# Allegro board LED_FIN.brd (continued)
## Nets (continued)
ROW_OUT_A7: D901.3(ANODE) D902.3(ANODE) D903.3(ANODE) D904.3(ANODE) D905.3(ANODE) D906.3(ANODE) D907.3(ANODE) D908.3(ANODE) D909.3(ANODE) D910.3(ANODE) D911.3(ANODE) D912.3(ANODE) D913.3(ANODE) D914.3(ANODE) D915.3(ANODE) D916.3(ANODE) D917.3(ANODE) D918.3(ANODE) D919.3(ANODE) D920.3(ANODE) D921.3(ANODE) D922.3(ANODE) D923.3(ANODE) D924.3(ANODE) D925.3(ANODE) D926.3(ANODE) D927.3(ANODE) D928.3(ANODE) D929.3(ANODE) D930.3(ANODE) D2041.3(ANODE) D2042.3(ANODE) D2043.3(ANODE) D2044.3(ANODE) D2045.3(ANODE) D2046.3(ANODE) D2047.3(ANODE) D2048.3(ANODE) D2049.3(ANODE) D2050.3(ANODE) D2051.3(ANODE) D2052.3(ANODE) D2053.3(ANODE) D2054.3(ANODE) D2055.3(ANODE) D2056.3(ANODE) D2057.3(ANODE) D2058.3(ANODE) D2059.3(ANODE) D2060.3(ANODE) D2061.3(ANODE) D2062.3(ANODE) D2063.3(ANODE) D2064.3(ANODE) D2065.3(ANODE) D2066.3(ANODE) D2067.3(ANODE) D2068.3(ANODE) D2069.3(ANODE) D2070.3(ANODE) D3181.3(ANODE) D3182.3(ANODE) D3183.3(ANODE) D3184.3(ANODE) D3185.3(ANODE) D3186.3(ANODE) D3187.3(ANODE) D3188.3(ANODE) D3189.3(ANODE) D3190.3(ANODE) D3191.3(ANODE) D3192.3(ANODE) D3193.3(ANODE) D3194.3(ANODE) D3195.3(ANODE) D3196.3(ANODE) D3197.3(ANODE) D3198.3(ANODE) D3199.3(ANODE) D3200.3(ANODE) D3201.3(ANODE) D3202.3(ANODE) D3203.3(ANODE) D3204.3(ANODE) D3205.3(ANODE) D3206.3(ANODE) D3207.3(ANODE) D3208.3(ANODE) D3209.3(ANODE) D3210.3(ANODE) D4321.3(ANODE) D4322.3(ANODE) D4323.3(ANODE) D4324.3(ANODE) D4325.3(ANODE) D4326.3(ANODE) D4327.3(ANODE) D4328.3(ANODE) D4329.3(ANODE) D4330.3(ANODE) D4331.3(ANODE) D4332.3(ANODE) D4333.3(ANODE) D4334.3(ANODE) D4335.3(ANODE) D4336.3(ANODE) D4337.3(ANODE) D4338.3(ANODE) D4339.3(ANODE) D4340.3(ANODE) D4341.3(ANODE) D4342.3(ANODE) D4343.3(ANODE) D4344.3(ANODE) D4345.3(ANODE) D4346.3(ANODE) D4347.3(ANODE) D4348.3(ANODE) D4349.3(ANODE) D4350.3(ANODE) U31.1(DRAIN)
ROW_OUT_A8: D871.3(ANODE) D872.3(ANODE) D873.3(ANODE) D874.3(ANODE) D875.3(ANODE) D876.3(ANODE) D877.3(ANODE) D878.3(ANODE) D879.3(ANODE) D880.3(ANODE) D881.3(ANODE) D882.3(ANODE) D883.3(ANODE) D884.3(ANODE) D885.3(ANODE) D886.3(ANODE) D887.3(ANODE) D888.3(ANODE) D889.3(ANODE) D890.3(ANODE) D891.3(ANODE) D892.3(ANODE) D893.3(ANODE) D894.3(ANODE) D895.3(ANODE) D896.3(ANODE) D897.3(ANODE) D898.3(ANODE) D899.3(ANODE) D900.3(ANODE) D2011.3(ANODE) D2012.3(ANODE) D2013.3(ANODE) D2014.3(ANODE) D2015.3(ANODE) D2016.3(ANODE) D2017.3(ANODE) D2018.3(ANODE) D2019.3(ANODE) D2020.3(ANODE) D2021.3(ANODE) D2022.3(ANODE) D2023.3(ANODE) D2024.3(ANODE) D2025.3(ANODE) D2026.3(ANODE) D2027.3(ANODE) D2028.3(ANODE) D2029.3(ANODE) D2030.3(ANODE) D2031.3(ANODE) D2032.3(ANODE) D2033.3(ANODE) D2034.3(ANODE) D2035.3(ANODE) D2036.3(ANODE) D2037.3(ANODE) D2038.3(ANODE) D2039.3(ANODE) D2040.3(ANODE) D3151.3(ANODE) D3152.3(ANODE) D3153.3(ANODE) D3154.3(ANODE) D3155.3(ANODE) D3156.3(ANODE) D3157.3(ANODE) D3158.3(ANODE) D3159.3(ANODE) D3160.3(ANODE) D3161.3(ANODE) D3162.3(ANODE) D3163.3(ANODE) D3164.3(ANODE) D3165.3(ANODE) D3166.3(ANODE) D3167.3(ANODE) D3168.3(ANODE) D3169.3(ANODE) D3170.3(ANODE) D3171.3(ANODE) D3172.3(ANODE) D3173.3(ANODE) D3174.3(ANODE) D3175.3(ANODE) D3176.3(ANODE) D3177.3(ANODE) D3178.3(ANODE) D3179.3(ANODE) D3180.3(ANODE) D4291.3(ANODE) D4292.3(ANODE) D4293.3(ANODE) D4294.3(ANODE) D4295.3(ANODE) D4296.3(ANODE) D4297.3(ANODE) D4298.3(ANODE) D4299.3(ANODE) D4300.3(ANODE) D4301.3(ANODE) D4302.3(ANODE) D4303.3(ANODE) D4304.3(ANODE) D4305.3(ANODE) D4306.3(ANODE) D4307.3(ANODE) D4308.3(ANODE) D4309.3(ANODE) D4310.3(ANODE) D4311.3(ANODE) D4312.3(ANODE) D4313.3(ANODE) D4314.3(ANODE) D4315.3(ANODE) D4316.3(ANODE) D4317.3(ANODE) D4318.3(ANODE) D4319.3(ANODE) D4320.3(ANODE) U30.1(DRAIN)
ROW_OUT_A9: D841.3(ANODE) D842.3(ANODE) D843.3(ANODE) D844.3(ANODE) D845.3(ANODE) D846.3(ANODE) D847.3(ANODE) D848.3(ANODE) D849.3(ANODE) D850.3(ANODE) D851.3(ANODE) D852.3(ANODE) D853.3(ANODE) D854.3(ANODE) D855.3(ANODE) D856.3(ANODE) D857.3(ANODE) D858.3(ANODE) D859.3(ANODE) D860.3(ANODE) D861.3(ANODE) D862.3(ANODE) D863.3(ANODE) D864.3(ANODE) D865.3(ANODE) D866.3(ANODE) D867.3(ANODE) D868.3(ANODE) D869.3(ANODE) D870.3(ANODE) D1981.3(ANODE) D1982.3(ANODE) D1983.3(ANODE) D1984.3(ANODE) D1985.3(ANODE) D1986.3(ANODE) D1987.3(ANODE) D1988.3(ANODE) D1989.3(ANODE) D1990.3(ANODE) D1991.3(ANODE) D1992.3(ANODE) D1993.3(ANODE) D1994.3(ANODE) D1995.3(ANODE) D1996.3(ANODE) D1997.3(ANODE) D1998.3(ANODE) D1999.3(ANODE) D2000.3(ANODE) D2001.3(ANODE) D2002.3(ANODE) D2003.3(ANODE) D2004.3(ANODE) D2005.3(ANODE) D2006.3(ANODE) D2007.3(ANODE) D2008.3(ANODE) D2009.3(ANODE) D2010.3(ANODE) D3121.3(ANODE) D3122.3(ANODE) D3123.3(ANODE) D3124.3(ANODE) D3125.3(ANODE) D3126.3(ANODE) D3127.3(ANODE) D3128.3(ANODE) D3129.3(ANODE) D3130.3(ANODE) D3131.3(ANODE) D3132.3(ANODE) D3133.3(ANODE) D3134.3(ANODE) D3135.3(ANODE) D3136.3(ANODE) D3137.3(ANODE) D3138.3(ANODE) D3139.3(ANODE) D3140.3(ANODE) D3141.3(ANODE) D3142.3(ANODE) D3143.3(ANODE) D3144.3(ANODE) D3145.3(ANODE) D3146.3(ANODE) D3147.3(ANODE) D3148.3(ANODE) D3149.3(ANODE) D3150.3(ANODE) D4261.3(ANODE) D4262.3(ANODE) D4263.3(ANODE) D4264.3(ANODE) D4265.3(ANODE) D4266.3(ANODE) D4267.3(ANODE) D4268.3(ANODE) D4269.3(ANODE) D4270.3(ANODE) D4271.3(ANODE) D4272.3(ANODE) D4273.3(ANODE) D4274.3(ANODE) D4275.3(ANODE) D4276.3(ANODE) D4277.3(ANODE) D4278.3(ANODE) D4279.3(ANODE) D4280.3(ANODE) D4281.3(ANODE) D4282.3(ANODE) D4283.3(ANODE) D4284.3(ANODE) D4285.3(ANODE) D4286.3(ANODE) D4287.3(ANODE) D4288.3(ANODE) D4289.3(ANODE) D4290.3(ANODE) U29.1(DRAIN)
ROW_OUT_A10: D811.3(ANODE) D812.3(ANODE) D813.3(ANODE) D814.3(ANODE) D815.3(ANODE) D816.3(ANODE) D817.3(ANODE) D818.3(ANODE) D819.3(ANODE) D820.3(ANODE) D821.3(ANODE) D822.3(ANODE) D823.3(ANODE) D824.3(ANODE) D825.3(ANODE) D826.3(ANODE) D827.3(ANODE) D828.3(ANODE) D829.3(ANODE) D830.3(ANODE) D831.3(ANODE) D832.3(ANODE) D833.3(ANODE) D834.3(ANODE) D835.3(ANODE) D836.3(ANODE) D837.3(ANODE) D838.3(ANODE) D839.3(ANODE) D840.3(ANODE) D1951.3(ANODE) D1952.3(ANODE) D1953.3(ANODE) D1954.3(ANODE) D1955.3(ANODE) D1956.3(ANODE) D1957.3(ANODE) D1958.3(ANODE) D1959.3(ANODE) D1960.3(ANODE) D1961.3(ANODE) D1962.3(ANODE) D1963.3(ANODE) D1964.3(ANODE) D1965.3(ANODE) D1966.3(ANODE) D1967.3(ANODE) D1968.3(ANODE) D1969.3(ANODE) D1970.3(ANODE) D1971.3(ANODE) D1972.3(ANODE) D1973.3(ANODE) D1974.3(ANODE) D1975.3(ANODE) D1976.3(ANODE) D1977.3(ANODE) D1978.3(ANODE) D1979.3(ANODE) D1980.3(ANODE) D3091.3(ANODE) D3092.3(ANODE) D3093.3(ANODE) D3094.3(ANODE) D3095.3(ANODE) D3096.3(ANODE) D3097.3(ANODE) D3098.3(ANODE) D3099.3(ANODE) D3100.3(ANODE) D3101.3(ANODE) D3102.3(ANODE) D3103.3(ANODE) D3104.3(ANODE) D3105.3(ANODE) D3106.3(ANODE) D3107.3(ANODE) D3108.3(ANODE) D3109.3(ANODE) D3110.3(ANODE) D3111.3(ANODE) D3112.3(ANODE) D3113.3(ANODE) D3114.3(ANODE) D3115.3(ANODE) D3116.3(ANODE) D3117.3(ANODE) D3118.3(ANODE) D3119.3(ANODE) D3120.3(ANODE) D4231.3(ANODE) D4232.3(ANODE) D4233.3(ANODE) D4234.3(ANODE) D4235.3(ANODE) D4236.3(ANODE) D4237.3(ANODE) D4238.3(ANODE) D4239.3(ANODE) D4240.3(ANODE) D4241.3(ANODE) D4242.3(ANODE) D4243.3(ANODE) D4244.3(ANODE) D4245.3(ANODE) D4246.3(ANODE) D4247.3(ANODE) D4248.3(ANODE) D4249.3(ANODE) D4250.3(ANODE) D4251.3(ANODE) D4252.3(ANODE) D4253.3(ANODE) D4254.3(ANODE) D4255.3(ANODE) D4256.3(ANODE) D4257.3(ANODE) D4258.3(ANODE) D4259.3(ANODE) D4260.3(ANODE) U28.1(DRAIN)
ROW_OUT_A11: D781.3(ANODE) D782.3(ANODE) D783.3(ANODE) D784.3(ANODE) D785.3(ANODE) D786.3(ANODE) D787.3(ANODE) D788.3(ANODE) D789.3(ANODE) D790.3(ANODE) D791.3(ANODE) D792.3(ANODE) D793.3(ANODE) D794.3(ANODE) D795.3(ANODE) D796.3(ANODE) D797.3(ANODE) D798.3(ANODE) D799.3(ANODE) D800.3(ANODE) D801.3(ANODE) D802.3(ANODE) D803.3(ANODE) D804.3(ANODE) D805.3(ANODE) D806.3(ANODE) D807.3(ANODE) D808.3(ANODE) D809.3(ANODE) D810.3(ANODE) D1921.3(ANODE) D1922.3(ANODE) D1923.3(ANODE) D1924.3(ANODE) D1925.3(ANODE) D1926.3(ANODE) D1927.3(ANODE) D1928.3(ANODE) D1929.3(ANODE) D1930.3(ANODE) D1931.3(ANODE) D1932.3(ANODE) D1933.3(ANODE) D1934.3(ANODE) D1935.3(ANODE) D1936.3(ANODE) D1937.3(ANODE) D1938.3(ANODE) D1939.3(ANODE) D1940.3(ANODE) D1941.3(ANODE) D1942.3(ANODE) D1943.3(ANODE) D1944.3(ANODE) D1945.3(ANODE) D1946.3(ANODE) D1947.3(ANODE) D1948.3(ANODE) D1949.3(ANODE) D1950.3(ANODE) D3061.3(ANODE) D3062.3(ANODE) D3063.3(ANODE) D3064.3(ANODE) D3065.3(ANODE) D3066.3(ANODE) D3067.3(ANODE) D3068.3(ANODE) D3069.3(ANODE) D3070.3(ANODE) D3071.3(ANODE) D3072.3(ANODE) D3073.3(ANODE) D3074.3(ANODE) D3075.3(ANODE) D3076.3(ANODE) D3077.3(ANODE) D3078.3(ANODE) D3079.3(ANODE) D3080.3(ANODE) D3081.3(ANODE) D3082.3(ANODE) D3083.3(ANODE) D3084.3(ANODE) D3085.3(ANODE) D3086.3(ANODE) D3087.3(ANODE) D3088.3(ANODE) D3089.3(ANODE) D3090.3(ANODE) D4201.3(ANODE) D4202.3(ANODE) D4203.3(ANODE) D4204.3(ANODE) D4205.3(ANODE) D4206.3(ANODE) D4207.3(ANODE) D4208.3(ANODE) D4209.3(ANODE) D4210.3(ANODE) D4211.3(ANODE) D4212.3(ANODE) D4213.3(ANODE) D4214.3(ANODE) D4215.3(ANODE) D4216.3(ANODE) D4217.3(ANODE) D4218.3(ANODE) D4219.3(ANODE) D4220.3(ANODE) D4221.3(ANODE) D4222.3(ANODE) D4223.3(ANODE) D4224.3(ANODE) D4225.3(ANODE) D4226.3(ANODE) D4227.3(ANODE) D4228.3(ANODE) D4229.3(ANODE) D4230.3(ANODE) U27.1(DRAIN)
ROW_OUT_A12: D751.3(ANODE) D752.3(ANODE) D753.3(ANODE) D754.3(ANODE) D755.3(ANODE) D756.3(ANODE) D757.3(ANODE) D758.3(ANODE) D759.3(ANODE) D760.3(ANODE) D761.3(ANODE) D762.3(ANODE) D763.3(ANODE) D764.3(ANODE) D765.3(ANODE) D766.3(ANODE) D767.3(ANODE) D768.3(ANODE) D769.3(ANODE) D770.3(ANODE) D771.3(ANODE) D772.3(ANODE) D773.3(ANODE) D774.3(ANODE) D775.3(ANODE) D776.3(ANODE) D777.3(ANODE) D778.3(ANODE) D779.3(ANODE) D780.3(ANODE) D1891.3(ANODE) D1892.3(ANODE) D1893.3(ANODE) D1894.3(ANODE) D1895.3(ANODE) D1896.3(ANODE) D1897.3(ANODE) D1898.3(ANODE) D1899.3(ANODE) D1900.3(ANODE) D1901.3(ANODE) D1902.3(ANODE) D1903.3(ANODE) D1904.3(ANODE) D1905.3(ANODE) D1906.3(ANODE) D1907.3(ANODE) D1908.3(ANODE) D1909.3(ANODE) D1910.3(ANODE) D1911.3(ANODE) D1912.3(ANODE) D1913.3(ANODE) D1914.3(ANODE) D1915.3(ANODE) D1916.3(ANODE) D1917.3(ANODE) D1918.3(ANODE) D1919.3(ANODE) D1920.3(ANODE) D3031.3(ANODE) D3032.3(ANODE) D3033.3(ANODE) D3034.3(ANODE) D3035.3(ANODE) D3036.3(ANODE) D3037.3(ANODE) D3038.3(ANODE) D3039.3(ANODE) D3040.3(ANODE) D3041.3(ANODE) D3042.3(ANODE) D3043.3(ANODE) D3044.3(ANODE) D3045.3(ANODE) D3046.3(ANODE) D3047.3(ANODE) D3048.3(ANODE) D3049.3(ANODE) D3050.3(ANODE) D3051.3(ANODE) D3052.3(ANODE) D3053.3(ANODE) D3054.3(ANODE) D3055.3(ANODE) D3056.3(ANODE) D3057.3(ANODE) D3058.3(ANODE) D3059.3(ANODE) D3060.3(ANODE) D4171.3(ANODE) D4172.3(ANODE) D4173.3(ANODE) D4174.3(ANODE) D4175.3(ANODE) D4176.3(ANODE) D4177.3(ANODE) D4178.3(ANODE) D4179.3(ANODE) D4180.3(ANODE) D4181.3(ANODE) D4182.3(ANODE) D4183.3(ANODE) D4184.3(ANODE) D4185.3(ANODE) D4186.3(ANODE) D4187.3(ANODE) D4188.3(ANODE) D4189.3(ANODE) D4190.3(ANODE) D4191.3(ANODE) D4192.3(ANODE) D4193.3(ANODE) D4194.3(ANODE) D4195.3(ANODE) D4196.3(ANODE) D4197.3(ANODE) D4198.3(ANODE) D4199.3(ANODE) D4200.3(ANODE) U26.1(DRAIN)
ROW_OUT_A13: D721.3(ANODE) D722.3(ANODE) D723.3(ANODE) D724.3(ANODE) D725.3(ANODE) D726.3(ANODE) D727.3(ANODE) D728.3(ANODE) D729.3(ANODE) D730.3(ANODE) D731.3(ANODE) D732.3(ANODE) D733.3(ANODE) D734.3(ANODE) D735.3(ANODE) D736.3(ANODE) D737.3(ANODE) D738.3(ANODE) D739.3(ANODE) D740.3(ANODE) D741.3(ANODE) D742.3(ANODE) D743.3(ANODE) D744.3(ANODE) D745.3(ANODE) D746.3(ANODE) D747.3(ANODE) D748.3(ANODE) D749.3(ANODE) D750.3(ANODE) D1861.3(ANODE) D1862.3(ANODE) D1863.3(ANODE) D1864.3(ANODE) D1865.3(ANODE) D1866.3(ANODE) D1867.3(ANODE) D1868.3(ANODE) D1869.3(ANODE) D1870.3(ANODE) D1871.3(ANODE) D1872.3(ANODE) D1873.3(ANODE) D1874.3(ANODE) D1875.3(ANODE) D1876.3(ANODE) D1877.3(ANODE) D1878.3(ANODE) D1879.3(ANODE) D1880.3(ANODE) D1881.3(ANODE) D1882.3(ANODE) D1883.3(ANODE) D1884.3(ANODE) D1885.3(ANODE) D1886.3(ANODE) D1887.3(ANODE) D1888.3(ANODE) D1889.3(ANODE) D1890.3(ANODE) D3001.3(ANODE) D3002.3(ANODE) D3003.3(ANODE) D3004.3(ANODE) D3005.3(ANODE) D3006.3(ANODE) D3007.3(ANODE) D3008.3(ANODE) D3009.3(ANODE) D3010.3(ANODE) D3011.3(ANODE) D3012.3(ANODE) D3013.3(ANODE) D3014.3(ANODE) D3015.3(ANODE) D3016.3(ANODE) D3017.3(ANODE) D3018.3(ANODE) D3019.3(ANODE) D3020.3(ANODE) D3021.3(ANODE) D3022.3(ANODE) D3023.3(ANODE) D3024.3(ANODE) D3025.3(ANODE) D3026.3(ANODE) D3027.3(ANODE) D3028.3(ANODE) D3029.3(ANODE) D3030.3(ANODE) D4141.3(ANODE) D4142.3(ANODE) D4143.3(ANODE) D4144.3(ANODE) D4145.3(ANODE) D4146.3(ANODE) D4147.3(ANODE) D4148.3(ANODE) D4149.3(ANODE) D4150.3(ANODE) D4151.3(ANODE) D4152.3(ANODE) D4153.3(ANODE) D4154.3(ANODE) D4155.3(ANODE) D4156.3(ANODE) D4157.3(ANODE) D4158.3(ANODE) D4159.3(ANODE) D4160.3(ANODE) D4161.3(ANODE) D4162.3(ANODE) D4163.3(ANODE) D4164.3(ANODE) D4165.3(ANODE) D4166.3(ANODE) D4167.3(ANODE) D4168.3(ANODE) D4169.3(ANODE) D4170.3(ANODE) U25.1(DRAIN)
ROW_OUT_A14: D691.3(ANODE) D692.3(ANODE) D693.3(ANODE) D694.3(ANODE) D695.3(ANODE) D696.3(ANODE) D697.3(ANODE) D698.3(ANODE) D699.3(ANODE) D700.3(ANODE) D701.3(ANODE) D702.3(ANODE) D703.3(ANODE) D704.3(ANODE) D705.3(ANODE) D706.3(ANODE) D707.3(ANODE) D708.3(ANODE) D709.3(ANODE) D710.3(ANODE) D711.3(ANODE) D712.3(ANODE) D713.3(ANODE) D714.3(ANODE) D715.3(ANODE) D716.3(ANODE) D717.3(ANODE) D718.3(ANODE) D719.3(ANODE) D720.3(ANODE) D1831.3(ANODE) D1832.3(ANODE) D1833.3(ANODE) D1834.3(ANODE) D1835.3(ANODE) D1836.3(ANODE) D1837.3(ANODE) D1838.3(ANODE) D1839.3(ANODE) D1840.3(ANODE) D1841.3(ANODE) D1842.3(ANODE) D1843.3(ANODE) D1844.3(ANODE) D1845.3(ANODE) D1846.3(ANODE) D1847.3(ANODE) D1848.3(ANODE) D1849.3(ANODE) D1850.3(ANODE) D1851.3(ANODE) D1852.3(ANODE) D1853.3(ANODE) D1854.3(ANODE) D1855.3(ANODE) D1856.3(ANODE) D1857.3(ANODE) D1858.3(ANODE) D1859.3(ANODE) D1860.3(ANODE) D2971.3(ANODE) D2972.3(ANODE) D2973.3(ANODE) D2974.3(ANODE) D2975.3(ANODE) D2976.3(ANODE) D2977.3(ANODE) D2978.3(ANODE) D2979.3(ANODE) D2980.3(ANODE) D2981.3(ANODE) D2982.3(ANODE) D2983.3(ANODE) D2984.3(ANODE) D2985.3(ANODE) D2986.3(ANODE) D2987.3(ANODE) D2988.3(ANODE) D2989.3(ANODE) D2990.3(ANODE) D2991.3(ANODE) D2992.3(ANODE) D2993.3(ANODE) D2994.3(ANODE) D2995.3(ANODE) D2996.3(ANODE) D2997.3(ANODE) D2998.3(ANODE) D2999.3(ANODE) D3000.3(ANODE) D4111.3(ANODE) D4112.3(ANODE) D4113.3(ANODE) D4114.3(ANODE) D4115.3(ANODE) D4116.3(ANODE) D4117.3(ANODE) D4118.3(ANODE) D4119.3(ANODE) D4120.3(ANODE) D4121.3(ANODE) D4122.3(ANODE) D4123.3(ANODE) D4124.3(ANODE) D4125.3(ANODE) D4126.3(ANODE) D4127.3(ANODE) D4128.3(ANODE) D4129.3(ANODE) D4130.3(ANODE) D4131.3(ANODE) D4132.3(ANODE) D4133.3(ANODE) D4134.3(ANODE) D4135.3(ANODE) D4136.3(ANODE) D4137.3(ANODE) D4138.3(ANODE) D4139.3(ANODE) D4140.3(ANODE) U24.1(DRAIN)
ROW_OUT_A15: D661.3(ANODE) D662.3(ANODE) D663.3(ANODE) D664.3(ANODE) D665.3(ANODE) D666.3(ANODE) D667.3(ANODE) D668.3(ANODE) D669.3(ANODE) D670.3(ANODE) D671.3(ANODE) D672.3(ANODE) D673.3(ANODE) D674.3(ANODE) D675.3(ANODE) D676.3(ANODE) D677.3(ANODE) D678.3(ANODE) D679.3(ANODE) D680.3(ANODE) D681.3(ANODE) D682.3(ANODE) D683.3(ANODE) D684.3(ANODE) D685.3(ANODE) D686.3(ANODE) D687.3(ANODE) D688.3(ANODE) D689.3(ANODE) D690.3(ANODE) D1801.3(ANODE) D1802.3(ANODE) D1803.3(ANODE) D1804.3(ANODE) D1805.3(ANODE) D1806.3(ANODE) D1807.3(ANODE) D1808.3(ANODE) D1809.3(ANODE) D1810.3(ANODE) D1811.3(ANODE) D1812.3(ANODE) D1813.3(ANODE) D1814.3(ANODE) D1815.3(ANODE) D1816.3(ANODE) D1817.3(ANODE) D1818.3(ANODE) D1819.3(ANODE) D1820.3(ANODE) D1821.3(ANODE) D1822.3(ANODE) D1823.3(ANODE) D1824.3(ANODE) D1825.3(ANODE) D1826.3(ANODE) D1827.3(ANODE) D1828.3(ANODE) D1829.3(ANODE) D1830.3(ANODE) D2941.3(ANODE) D2942.3(ANODE) D2943.3(ANODE) D2944.3(ANODE) D2945.3(ANODE) D2946.3(ANODE) D2947.3(ANODE) D2948.3(ANODE) D2949.3(ANODE) D2950.3(ANODE) D2951.3(ANODE) D2952.3(ANODE) D2953.3(ANODE) D2954.3(ANODE) D2955.3(ANODE) D2956.3(ANODE) D2957.3(ANODE) D2958.3(ANODE) D2959.3(ANODE) D2960.3(ANODE) D2961.3(ANODE) D2962.3(ANODE) D2963.3(ANODE) D2964.3(ANODE) D2965.3(ANODE) D2966.3(ANODE) D2967.3(ANODE) D2968.3(ANODE) D2969.3(ANODE) D2970.3(ANODE) D4081.3(ANODE) D4082.3(ANODE) D4083.3(ANODE) D4084.3(ANODE) D4085.3(ANODE) D4086.3(ANODE) D4087.3(ANODE) D4088.3(ANODE) D4089.3(ANODE) D4090.3(ANODE) D4091.3(ANODE) D4092.3(ANODE) D4093.3(ANODE) D4094.3(ANODE) D4095.3(ANODE) D4096.3(ANODE) D4097.3(ANODE) D4098.3(ANODE) D4099.3(ANODE) D4100.3(ANODE) D4101.3(ANODE) D4102.3(ANODE) D4103.3(ANODE) D4104.3(ANODE) D4105.3(ANODE) D4106.3(ANODE) D4107.3(ANODE) D4108.3(ANODE) D4109.3(ANODE) D4110.3(ANODE) U23.1(DRAIN)
ROW_OUT_A16: D631.3(ANODE) D632.3(ANODE) D633.3(ANODE) D634.3(ANODE) D635.3(ANODE) D636.3(ANODE) D637.3(ANODE) D638.3(ANODE) D639.3(ANODE) D640.3(ANODE) D641.3(ANODE) D642.3(ANODE) D643.3(ANODE) D644.3(ANODE) D645.3(ANODE) D646.3(ANODE) D647.3(ANODE) D648.3(ANODE) D649.3(ANODE) D650.3(ANODE) D651.3(ANODE) D652.3(ANODE) D653.3(ANODE) D654.3(ANODE) D655.3(ANODE) D656.3(ANODE) D657.3(ANODE) D658.3(ANODE) D659.3(ANODE) D660.3(ANODE) D1771.3(ANODE) D1772.3(ANODE) D1773.3(ANODE) D1774.3(ANODE) D1775.3(ANODE) D1776.3(ANODE) D1777.3(ANODE) D1778.3(ANODE) D1779.3(ANODE) D1780.3(ANODE) D1781.3(ANODE) D1782.3(ANODE) D1783.3(ANODE) D1784.3(ANODE) D1785.3(ANODE) D1786.3(ANODE) D1787.3(ANODE) D1788.3(ANODE) D1789.3(ANODE) D1790.3(ANODE) D1791.3(ANODE) D1792.3(ANODE) D1793.3(ANODE) D1794.3(ANODE) D1795.3(ANODE) D1796.3(ANODE) D1797.3(ANODE) D1798.3(ANODE) D1799.3(ANODE) D1800.3(ANODE) D2911.3(ANODE) D2912.3(ANODE) D2913.3(ANODE) D2914.3(ANODE) D2915.3(ANODE) D2916.3(ANODE) D2917.3(ANODE) D2918.3(ANODE) D2919.3(ANODE) D2920.3(ANODE) D2921.3(ANODE) D2922.3(ANODE) D2923.3(ANODE) D2924.3(ANODE) D2925.3(ANODE) D2926.3(ANODE) D2927.3(ANODE) D2928.3(ANODE) D2929.3(ANODE) D2930.3(ANODE) D2931.3(ANODE) D2932.3(ANODE) D2933.3(ANODE) D2934.3(ANODE) D2935.3(ANODE) D2936.3(ANODE) D2937.3(ANODE) D2938.3(ANODE) D2939.3(ANODE) D2940.3(ANODE) D4051.3(ANODE) D4052.3(ANODE) D4053.3(ANODE) D4054.3(ANODE) D4055.3(ANODE) D4056.3(ANODE) D4057.3(ANODE) D4058.3(ANODE) D4059.3(ANODE) D4060.3(ANODE) D4061.3(ANODE) D4062.3(ANODE) D4063.3(ANODE) D4064.3(ANODE) D4065.3(ANODE) D4066.3(ANODE) D4067.3(ANODE) D4068.3(ANODE) D4069.3(ANODE) D4070.3(ANODE) D4071.3(ANODE) D4072.3(ANODE) D4073.3(ANODE) D4074.3(ANODE) D4075.3(ANODE) D4076.3(ANODE) D4077.3(ANODE) D4078.3(ANODE) D4079.3(ANODE) D4080.3(ANODE) U22.1(DRAIN)
ROW_OUT_A17: D601.3(ANODE) D602.3(ANODE) D603.3(ANODE) D604.3(ANODE) D605.3(ANODE) D606.3(ANODE) D607.3(ANODE) D608.3(ANODE) D609.3(ANODE) D610.3(ANODE) D611.3(ANODE) D612.3(ANODE) D613.3(ANODE) D614.3(ANODE) D615.3(ANODE) D616.3(ANODE) D617.3(ANODE) D618.3(ANODE) D619.3(ANODE) D620.3(ANODE) D621.3(ANODE) D622.3(ANODE) D623.3(ANODE) D624.3(ANODE) D625.3(ANODE) D626.3(ANODE) D627.3(ANODE) D628.3(ANODE) D629.3(ANODE) D630.3(ANODE) D1741.3(ANODE) D1742.3(ANODE) D1743.3(ANODE) D1744.3(ANODE) D1745.3(ANODE) D1746.3(ANODE) D1747.3(ANODE) D1748.3(ANODE) D1749.3(ANODE) D1750.3(ANODE) D1751.3(ANODE) D1752.3(ANODE) D1753.3(ANODE) D1754.3(ANODE) D1755.3(ANODE) D1756.3(ANODE) D1757.3(ANODE) D1758.3(ANODE) D1759.3(ANODE) D1760.3(ANODE) D1761.3(ANODE) D1762.3(ANODE) D1763.3(ANODE) D1764.3(ANODE) D1765.3(ANODE) D1766.3(ANODE) D1767.3(ANODE) D1768.3(ANODE) D1769.3(ANODE) D1770.3(ANODE) D2881.3(ANODE) D2882.3(ANODE) D2883.3(ANODE) D2884.3(ANODE) D2885.3(ANODE) D2886.3(ANODE) D2887.3(ANODE) D2888.3(ANODE) D2889.3(ANODE) D2890.3(ANODE) D2891.3(ANODE) D2892.3(ANODE) D2893.3(ANODE) D2894.3(ANODE) D2895.3(ANODE) D2896.3(ANODE) D2897.3(ANODE) D2898.3(ANODE) D2899.3(ANODE) D2900.3(ANODE) D2901.3(ANODE) D2902.3(ANODE) D2903.3(ANODE) D2904.3(ANODE) D2905.3(ANODE) D2906.3(ANODE) D2907.3(ANODE) D2908.3(ANODE) D2909.3(ANODE) D2910.3(ANODE) D4021.3(ANODE) D4022.3(ANODE) D4023.3(ANODE) D4024.3(ANODE) D4025.3(ANODE) D4026.3(ANODE) D4027.3(ANODE) D4028.3(ANODE) D4029.3(ANODE) D4030.3(ANODE) D4031.3(ANODE) D4032.3(ANODE) D4033.3(ANODE) D4034.3(ANODE) D4035.3(ANODE) D4036.3(ANODE) D4037.3(ANODE) D4038.3(ANODE) D4039.3(ANODE) D4040.3(ANODE) D4041.3(ANODE) D4042.3(ANODE) D4043.3(ANODE) D4044.3(ANODE) D4045.3(ANODE) D4046.3(ANODE) D4047.3(ANODE) D4048.3(ANODE) D4049.3(ANODE) D4050.3(ANODE) U21.1(DRAIN)
ROW_OUT_A18: D571.3(ANODE) D572.3(ANODE) D573.3(ANODE) D574.3(ANODE) D575.3(ANODE) D576.3(ANODE) D577.3(ANODE) D578.3(ANODE) D579.3(ANODE) D580.3(ANODE) D581.3(ANODE) D582.3(ANODE) D583.3(ANODE) D584.3(ANODE) D585.3(ANODE) D586.3(ANODE) D587.3(ANODE) D588.3(ANODE) D589.3(ANODE) D590.3(ANODE) D591.3(ANODE) D592.3(ANODE) D593.3(ANODE) D594.3(ANODE) D595.3(ANODE) D596.3(ANODE) D597.3(ANODE) D598.3(ANODE) D599.3(ANODE) D600.3(ANODE) D1711.3(ANODE) D1712.3(ANODE) D1713.3(ANODE) D1714.3(ANODE) D1715.3(ANODE) D1716.3(ANODE) D1717.3(ANODE) D1718.3(ANODE) D1719.3(ANODE) D1720.3(ANODE) D1721.3(ANODE) D1722.3(ANODE) D1723.3(ANODE) D1724.3(ANODE) D1725.3(ANODE) D1726.3(ANODE) D1727.3(ANODE) D1728.3(ANODE) D1729.3(ANODE) D1730.3(ANODE) D1731.3(ANODE) D1732.3(ANODE) D1733.3(ANODE) D1734.3(ANODE) D1735.3(ANODE) D1736.3(ANODE) D1737.3(ANODE) D1738.3(ANODE) D1739.3(ANODE) D1740.3(ANODE) D2851.3(ANODE) D2852.3(ANODE) D2853.3(ANODE) D2854.3(ANODE) D2855.3(ANODE) D2856.3(ANODE) D2857.3(ANODE) D2858.3(ANODE) D2859.3(ANODE) D2860.3(ANODE) D2861.3(ANODE) D2862.3(ANODE) D2863.3(ANODE) D2864.3(ANODE) D2865.3(ANODE) D2866.3(ANODE) D2867.3(ANODE) D2868.3(ANODE) D2869.3(ANODE) D2870.3(ANODE) D2871.3(ANODE) D2872.3(ANODE) D2873.3(ANODE) D2874.3(ANODE) D2875.3(ANODE) D2876.3(ANODE) D2877.3(ANODE) D2878.3(ANODE) D2879.3(ANODE) D2880.3(ANODE) D3991.3(ANODE) D3992.3(ANODE) D3993.3(ANODE) D3994.3(ANODE) D3995.3(ANODE) D3996.3(ANODE) D3997.3(ANODE) D3998.3(ANODE) D3999.3(ANODE) D4000.3(ANODE) D4001.3(ANODE) D4002.3(ANODE) D4003.3(ANODE) D4004.3(ANODE) D4005.3(ANODE) D4006.3(ANODE) D4007.3(ANODE) D4008.3(ANODE) D4009.3(ANODE) D4010.3(ANODE) D4011.3(ANODE) D4012.3(ANODE) D4013.3(ANODE) D4014.3(ANODE) D4015.3(ANODE) D4016.3(ANODE) D4017.3(ANODE) D4018.3(ANODE) D4019.3(ANODE) D4020.3(ANODE) U20.1(DRAIN)
ROW_OUT_A19: D541.3(ANODE) D542.3(ANODE) D543.3(ANODE) D544.3(ANODE) D545.3(ANODE) D546.3(ANODE) D547.3(ANODE) D548.3(ANODE) D549.3(ANODE) D550.3(ANODE) D551.3(ANODE) D552.3(ANODE) D553.3(ANODE) D554.3(ANODE) D555.3(ANODE) D556.3(ANODE) D557.3(ANODE) D558.3(ANODE) D559.3(ANODE) D560.3(ANODE) D561.3(ANODE) D562.3(ANODE) D563.3(ANODE) D564.3(ANODE) D565.3(ANODE) D566.3(ANODE) D567.3(ANODE) D568.3(ANODE) D569.3(ANODE) D570.3(ANODE) D1681.3(ANODE) D1682.3(ANODE) D1683.3(ANODE) D1684.3(ANODE) D1685.3(ANODE) D1686.3(ANODE) D1687.3(ANODE) D1688.3(ANODE) D1689.3(ANODE) D1690.3(ANODE) D1691.3(ANODE) D1692.3(ANODE) D1693.3(ANODE) D1694.3(ANODE) D1695.3(ANODE) D1696.3(ANODE) D1697.3(ANODE) D1698.3(ANODE) D1699.3(ANODE) D1700.3(ANODE) D1701.3(ANODE) D1702.3(ANODE) D1703.3(ANODE) D1704.3(ANODE) D1705.3(ANODE) D1706.3(ANODE) D1707.3(ANODE) D1708.3(ANODE) D1709.3(ANODE) D1710.3(ANODE) D2821.3(ANODE) D2822.3(ANODE) D2823.3(ANODE) D2824.3(ANODE) D2825.3(ANODE) D2826.3(ANODE) D2827.3(ANODE) D2828.3(ANODE) D2829.3(ANODE) D2830.3(ANODE) D2831.3(ANODE) D2832.3(ANODE) D2833.3(ANODE) D2834.3(ANODE) D2835.3(ANODE) D2836.3(ANODE) D2837.3(ANODE) D2838.3(ANODE) D2839.3(ANODE) D2840.3(ANODE) D2841.3(ANODE) D2842.3(ANODE) D2843.3(ANODE) D2844.3(ANODE) D2845.3(ANODE) D2846.3(ANODE) D2847.3(ANODE) D2848.3(ANODE) D2849.3(ANODE) D2850.3(ANODE) D3961.3(ANODE) D3962.3(ANODE) D3963.3(ANODE) D3964.3(ANODE) D3965.3(ANODE) D3966.3(ANODE) D3967.3(ANODE) D3968.3(ANODE) D3969.3(ANODE) D3970.3(ANODE) D3971.3(ANODE) D3972.3(ANODE) D3973.3(ANODE) D3974.3(ANODE) D3975.3(ANODE) D3976.3(ANODE) D3977.3(ANODE) D3978.3(ANODE) D3979.3(ANODE) D3980.3(ANODE) D3981.3(ANODE) D3982.3(ANODE) D3983.3(ANODE) D3984.3(ANODE) D3985.3(ANODE) D3986.3(ANODE) D3987.3(ANODE) D3988.3(ANODE) D3989.3(ANODE) D3990.3(ANODE) U19.1(DRAIN)
ROW_OUT_A20: D511.3(ANODE) D512.3(ANODE) D513.3(ANODE) D514.3(ANODE) D515.3(ANODE) D516.3(ANODE) D517.3(ANODE) D518.3(ANODE) D519.3(ANODE) D520.3(ANODE) D521.3(ANODE) D522.3(ANODE) D523.3(ANODE) D524.3(ANODE) D525.3(ANODE) D526.3(ANODE) D527.3(ANODE) D528.3(ANODE) D529.3(ANODE) D530.3(ANODE) D531.3(ANODE) D532.3(ANODE) D533.3(ANODE) D534.3(ANODE) D535.3(ANODE) D536.3(ANODE) D537.3(ANODE) D538.3(ANODE) D539.3(ANODE) D540.3(ANODE) D1651.3(ANODE) D1652.3(ANODE) D1653.3(ANODE) D1654.3(ANODE) D1655.3(ANODE) D1656.3(ANODE) D1657.3(ANODE) D1658.3(ANODE) D1659.3(ANODE) D1660.3(ANODE) D1661.3(ANODE) D1662.3(ANODE) D1663.3(ANODE) D1664.3(ANODE) D1665.3(ANODE) D1666.3(ANODE) D1667.3(ANODE) D1668.3(ANODE) D1669.3(ANODE) D1670.3(ANODE) D1671.3(ANODE) D1672.3(ANODE) D1673.3(ANODE) D1674.3(ANODE) D1675.3(ANODE) D1676.3(ANODE) D1677.3(ANODE) D1678.3(ANODE) D1679.3(ANODE) D1680.3(ANODE) D2791.3(ANODE) D2792.3(ANODE) D2793.3(ANODE) D2794.3(ANODE) D2795.3(ANODE) D2796.3(ANODE) D2797.3(ANODE) D2798.3(ANODE) D2799.3(ANODE) D2800.3(ANODE) D2801.3(ANODE) D2802.3(ANODE) D2803.3(ANODE) D2804.3(ANODE) D2805.3(ANODE) D2806.3(ANODE) D2807.3(ANODE) D2808.3(ANODE) D2809.3(ANODE) D2810.3(ANODE) D2811.3(ANODE) D2812.3(ANODE) D2813.3(ANODE) D2814.3(ANODE) D2815.3(ANODE) D2816.3(ANODE) D2817.3(ANODE) D2818.3(ANODE) D2819.3(ANODE) D2820.3(ANODE) D3931.3(ANODE) D3932.3(ANODE) D3933.3(ANODE) D3934.3(ANODE) D3935.3(ANODE) D3936.3(ANODE) D3937.3(ANODE) D3938.3(ANODE) D3939.3(ANODE) D3940.3(ANODE) D3941.3(ANODE) D3942.3(ANODE) D3943.3(ANODE) D3944.3(ANODE) D3945.3(ANODE) D3946.3(ANODE) D3947.3(ANODE) D3948.3(ANODE) D3949.3(ANODE) D3950.3(ANODE) D3951.3(ANODE) D3952.3(ANODE) D3953.3(ANODE) D3954.3(ANODE) D3955.3(ANODE) D3956.3(ANODE) D3957.3(ANODE) D3958.3(ANODE) D3959.3(ANODE) D3960.3(ANODE) U18.1(DRAIN)